# Altium PCB MB1191.PcbDoc (part 6 of 7)
Units mm, origin at the board's own origin, x right, y up, seen from the top; angles counter-clockwise.
Board outline 130 x 80 mm, 8 copper layers (Top, F2, F3, F4, F5, F6, F7, Bottom), stack 1.115 mm thick; 358 components, 347 nets, 1452 pads, 1074 vias.
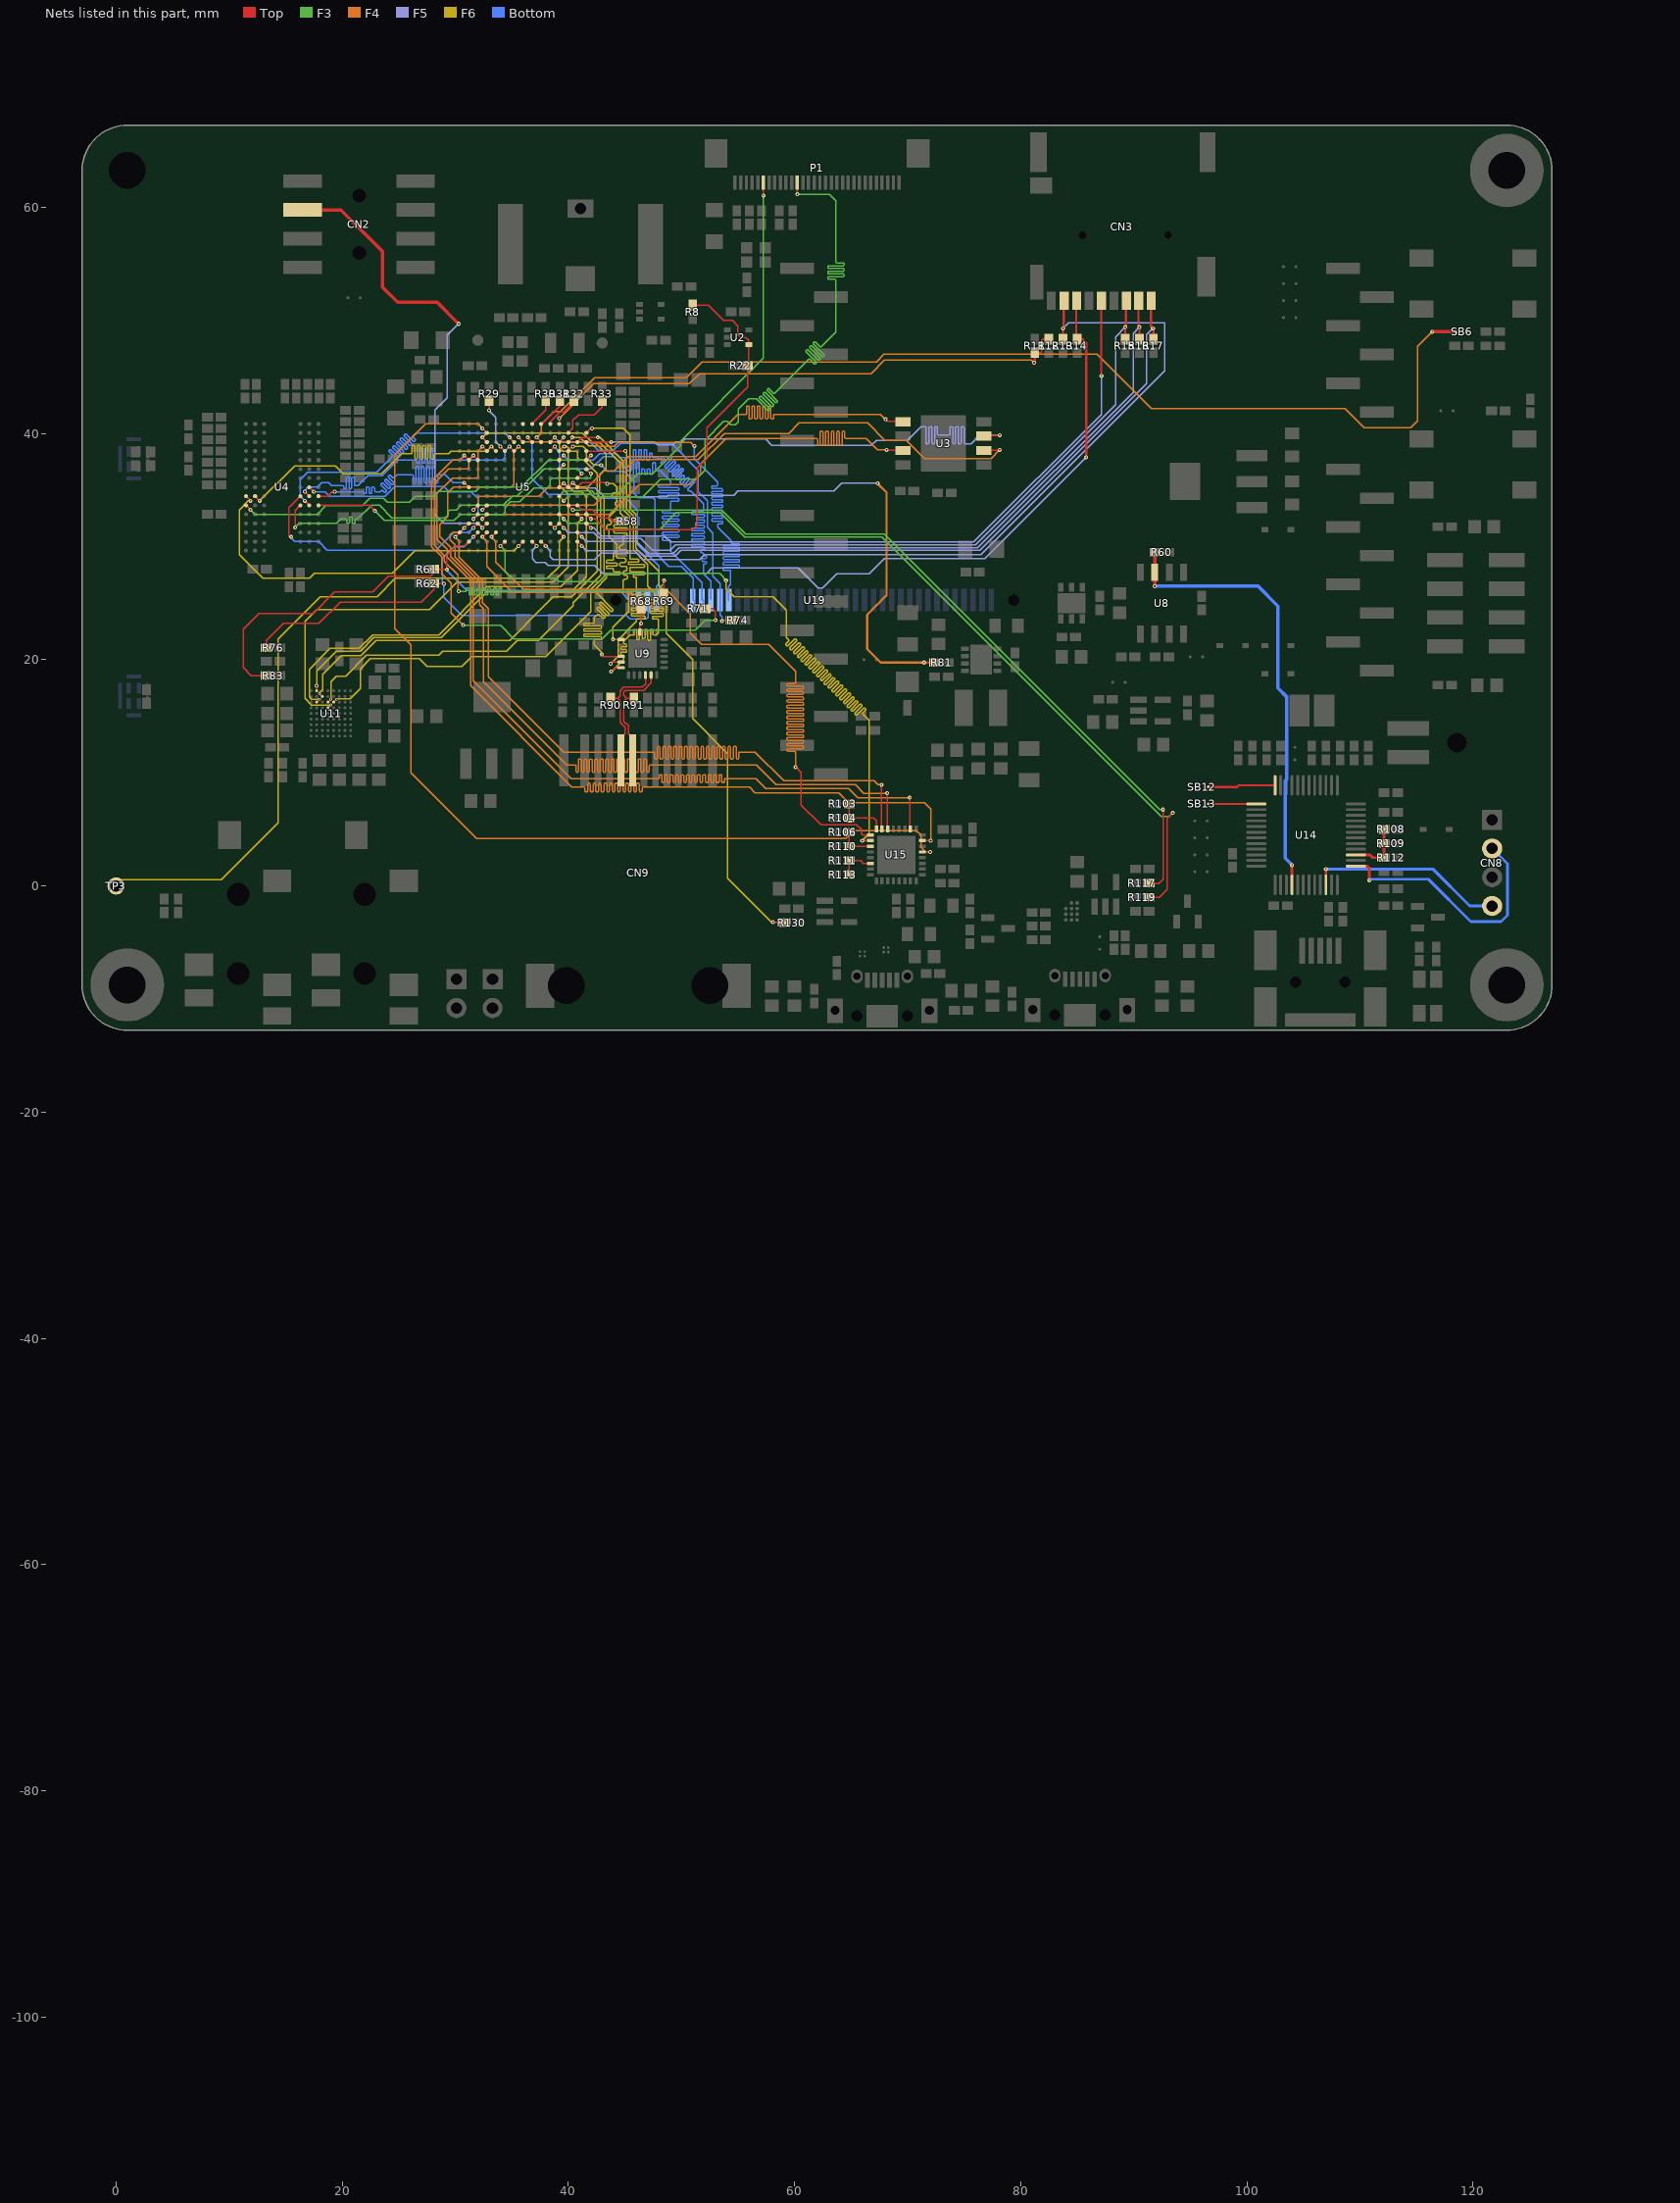
[diagram p12: the nets of this part, all layers, seen from the top]

## Via types
v1: diameter 0.35, hole 0.15, Top to Bottom, tented both sides, 1046 vias
v2: diameter 0.25, hole 0.1, Top to Bottom, tented both sides, 26 vias
v3: diameter 0.3, hole 0.1, Top to Bottom, tented both sides, 2 vias

## Nets (pads, with @x,y where several pads share a name; then routed paths per layer and width w, separated by ;. In a path a pad name is that pad's centre, name@x,y a point inside that pad or via, vN(x,y) a via of type N, cw(c..) or ccw(c..) an arc to the next point about the centre after c; other vN are vias at no path point) (continued)
PB10: U5.P12 U15.6 | length 89.2
  Top w0.12: v1(30.8,31.65) U5.P12@31.2,32.05 ; v1(68.2,8.2) 68.2,5.05 U15.6@68.25,5.05
  F4 w0.12: v1(30.8,31.65) 30.4,31.25 29.75,31.25 29.55,31.05 29.55,30.6 30,30.15 30,29.05 32.15,26.9 32.15,24.85 32.5,24.5 32.5,18.05 39.87,10.68 40.61,10.68 40.67,10.62 40.67,10.11 40.73,10.05 40.85,10.05 40.91,10.11 40.91,11.17 40.97,11.23 41.09,11.23 41.15,11.17 41.15,10.11 41.21,10.05 41.33,10.05 41.39,10.11 41.39,11.17 41.45,11.23 41.57,11.23 41.63,11.17 41.63,10.11 41.69,10.05 41.81,10.05 41.87,10.11 41.87,11.17 41.93,11.23 42.05,11.23 42.11,11.17 42.11,10.11 42.17,10.05 42.29,10.05 42.35,10.11 42.35,11.17 42.41,11.23 42.53,11.23 42.59,11.17 42.59,10.11 42.65,10.05 42.77,10.05 42.83,10.11 42.83,11.17 42.89,11.23 43.01,11.23 43.07,11.17 43.07,10.11 43.13,10.05 43.25,10.05 43.31,10.11 43.31,11.17 43.37,11.23 43.49,11.23 43.55,11.17 43.55,10.11 43.61,10.05 43.73,10.05 43.79,10.11 43.79,11.17 43.85,11.23 43.97,11.23 44.03,11.17 44.03,10.11 44.09,10.05 44.21,10.05 44.27,10.11 44.27,11.17 44.33,11.23 44.45,11.23 44.51,11.17 44.51,10.11 44.57,10.05 44.69,10.05 44.75,10.11 44.75,11.17 44.81,11.23 44.93,11.23 44.99,11.17 44.99,10.11 45.05,10.05 45.17,10.05 45.23,10.11 45.23,11.17 45.29,11.23 45.41,11.23 45.47,11.17 45.47,10.11 45.53,10.05 45.65,10.05 45.71,10.11 45.71,11.17 45.77,11.23 45.89,11.23 45.95,11.17 45.95,10.11 46.01,10.05 46.13,10.05 46.19,10.11 46.19,11.17 46.25,11.23 46.37,11.23 46.43,11.17 46.43,10.11 46.49,10.05 46.61,10.05 46.67,10.11 46.67,11.17 46.73,11.23 46.85,11.23 46.91,11.17 46.91,10.11 46.97,10.05 47.09,10.05 47.15,10.11 47.15,10.62 47.21,10.68 56.64,10.68 58.36,8.96 65.39,8.96 66.15,8.2 v1(68.2,8.2)
PB11: U5.R13 U15.7 | length 89.1
  Top w0.12: v1(30,30.85) U5.R13@30.4,31.25 ; v1(67.7,8.95) 67.7,5.05 U15.7@67.75,5.05
  F4 w0.12: v1(30,30.85) 30.35,30.5 30.35,29.05 32.4,27 32.4,25.05 32.95,24.5 32.95,18.5 39.62,11.83 47.58,11.83 47.64,11.77 47.64,11.28 47.7,11.22 47.82,11.22 47.88,11.28 47.88,12.27 47.94,12.33 48.06,12.33 48.12,12.27 48.12,11.28 48.18,11.22 48.3,11.22 48.36,11.28 48.36,12.27 48.42,12.33 48.54,12.33 48.6,12.27 48.6,11.28 48.66,11.22 48.78,11.22 48.84,11.28 48.84,12.27 48.9,12.33 49.02,12.33 49.08,12.27 49.08,11.28 49.14,11.22 49.26,11.22 49.32,11.28 49.32,12.27 49.38,12.33 49.5,12.33 49.56,12.27 49.56,11.28 49.62,11.22 49.74,11.22 49.8,11.28 49.8,12.27 49.86,12.33 49.98,12.33 50.04,12.27 50.04,11.28 50.1,11.22 50.22,11.22 50.28,11.28 50.28,12.27 50.34,12.33 50.46,12.33 50.52,12.27 50.52,11.28 50.58,11.22 50.7,11.22 50.76,11.28 50.76,12.27 50.82,12.33 50.94,12.33 51,12.27 51,11.28 51.06,11.22 51.18,11.22 51.24,11.28 51.24,12.27 51.3,12.33 51.42,12.33 51.48,12.27 51.48,11.28 51.54,11.22 51.66,11.22 51.72,11.28 51.72,12.27 51.78,12.33 51.9,12.33 51.96,12.27 51.96,11.28 52.02,11.22 52.14,11.22 52.2,11.28 52.2,12.27 52.26,12.33 52.38,12.33 52.44,12.27 52.44,11.28 52.5,11.22 52.62,11.22 52.68,11.28 52.68,12.27 52.74,12.33 52.86,12.33 52.92,12.27 52.92,11.28 52.98,11.22 53.1,11.22 53.16,11.28 53.16,12.27 53.22,12.33 53.34,12.33 53.4,12.27 53.4,11.28 53.46,11.22 53.58,11.22 53.64,11.28 53.64,12.27 53.7,12.33 53.82,12.33 53.88,12.27 53.88,11.28 53.94,11.22 54.06,11.22 54.12,11.28 54.12,12.27 54.18,12.33 54.3,12.33 54.36,12.27 54.36,11.28 54.42,11.22 54.54,11.22 54.6,11.28 54.6,12.27 54.66,12.33 54.78,12.33 54.84,12.27 54.84,11.28 54.9,11.22 55.02,11.22 55.08,11.28 55.08,11.77 55.14,11.83 56.52,11.83 59.06,9.29 67.06,9.29 67.4,8.95 v1(67.7,8.95)
PB12: U5.L13 U15.9 | length 89.2
  Top w0.12: v1(33.2,30.85) U5.L13@33.6,31.25 ; v1(60.1,10.5) 60.1,10.55 60.6,10.05 60.6,7.15 62.35,5.4 65.5,5.4 65.9,5 65.9,4.65 66.05,4.5 U15.9@66.7,4.5
  F4 w0.12: v1(33.2,30.85) 33.6,30.45 33.6,28.65 36.06,26.19 48.66,26.19 50.8,24.05 50.8,22.35 51.8,21.35 57.74,21.35 60.1,18.99 60.1,17.96 60.04,17.9 59.4,17.9 59.34,17.84 59.34,17.72 59.4,17.66 60.76,17.66 60.82,17.6 60.82,17.48 60.76,17.42 59.4,17.42 59.34,17.36 59.34,17.24 59.4,17.18 60.76,17.18 60.82,17.12 60.82,17 60.76,16.94 59.4,16.94 59.34,16.88 59.34,16.76 59.4,16.7 60.76,16.7 60.82,16.64 60.82,16.52 60.76,16.46 59.4,16.46 59.34,16.4 59.34,16.28 59.4,16.22 60.76,16.22 60.82,16.16 60.82,16.04 60.76,15.98 59.4,15.98 59.34,15.92 59.34,15.8 59.4,15.74 60.76,15.74 60.82,15.68 60.82,15.56 60.76,15.5 59.4,15.5 59.34,15.44 59.34,15.32 59.4,15.26 60.76,15.26 60.82,15.2 60.82,15.08 60.76,15.02 59.4,15.02 59.34,14.96 59.34,14.84 59.4,14.78 60.76,14.78 60.82,14.72 60.82,14.6 60.76,14.54 59.4,14.54 59.34,14.48 59.34,14.36 59.4,14.3 60.76,14.3 60.82,14.24 60.82,14.12 60.76,14.06 59.4,14.06 59.34,14 59.34,13.88 59.4,13.82 60.76,13.82 60.82,13.76 60.82,13.64 60.76,13.58 59.4,13.58 59.34,13.52 59.34,13.4 59.4,13.34 60.76,13.34 60.82,13.28 60.82,13.16 60.76,13.1 59.4,13.1 59.34,13.04 59.34,12.92 59.4,12.86 60.76,12.86 60.82,12.8 60.82,12.68 60.76,12.62 59.4,12.62 59.34,12.56 59.34,12.44 59.4,12.38 60.76,12.38 60.82,12.32 60.82,12.2 60.76,12.14 59.4,12.14 59.34,12.08 59.34,11.96 59.4,11.9 60.04,11.9 60.1,11.84 v1(60.1,10.5)
PB13: U5.K14 U15.10 | length 89.4
  Top w0.12: v1(34,30.05) U5.K14@34.4,30.45 ; v1(66,4) U15.10@66.7,4
  F3 w0.12: v1(34,30.05) 34.4,29.65 34.4,27.8 34.99,27.21 38.87,27.21 39.17,26.91 42.73,26.91 43.45,27.63 53.37,27.63 54,27 v1(53.95,27)
  F6 w0.12: v1(53.95,27) 53.95,26.26 54.67,25.54 58.11,25.54 59.27,24.38 59.27,21.98 59.512,21.738 59.512,21.653 59.241,21.382 59.241,21.297 59.326,21.212 59.411,21.212 60.021,21.823 60.106,21.823 60.191,21.738 60.191,21.653 59.581,21.043 59.581,20.958 59.665,20.873 59.75,20.873 60.36,21.483 60.445,21.483 60.53,21.398 60.53,21.314 59.92,20.703 59.92,20.618 60.005,20.534 60.09,20.534 60.7,21.144 60.785,21.144 60.87,21.059 60.87,20.974 60.259,20.364 60.259,20.279 60.344,20.194 60.429,20.194 61.039,20.804 61.124,20.804 61.209,20.72 61.209,20.635 60.599,20.024 60.599,19.94 60.684,19.855 60.769,19.855 61.379,20.465 61.464,20.465 61.548,20.38 61.548,20.295 60.938,19.685 60.938,19.6 61.023,19.515 61.108,19.515 61.718,20.126 61.803,20.126 61.888,20.041 61.888,19.956 61.278,19.346 61.278,19.261 61.363,19.176 61.447,19.176 62.058,19.786 62.142,19.786 62.227,19.701 62.227,19.616 61.617,19.006 61.617,18.921 61.702,18.837 61.787,18.837 62.397,19.447 62.482,19.447 62.567,19.362 62.567,19.277 61.956,18.667 61.956,18.582 62.041,18.497 62.126,18.497 62.736,19.107 62.821,19.107 62.906,19.022 62.906,18.938 62.296,18.327 62.296,18.243 62.381,18.158 62.466,18.158 63.076,18.768 63.161,18.768 63.246,18.683 63.246,18.598 62.635,17.988 62.635,17.903 62.72,17.818 62.805,17.818 63.415,18.428 63.5,18.428 63.585,18.344 63.585,18.259 62.975,17.649 62.975,17.564 63.06,17.479 63.144,17.479 63.755,18.089 63.839,18.089 63.924,18.004 63.924,17.919 63.314,17.309 63.314,17.224 63.399,17.139 63.484,17.139 64.094,17.75 64.179,17.75 64.264,17.665 64.264,17.58 63.654,16.97 63.654,16.885 63.738,16.8 63.823,16.8 64.434,17.41 64.518,17.41 64.603,17.325 64.603,17.24 63.993,16.63 63.993,16.545 64.078,16.461 64.163,16.461 64.773,17.071 64.858,17.071 64.943,16.986 64.943,16.901 64.332,16.291 64.332,16.206 64.417,16.121 64.502,16.121 65.112,16.731 65.197,16.731 65.282,16.646 65.282,16.562 64.672,15.951 64.672,15.867 64.757,15.782 64.842,15.782 65.452,16.392 65.537,16.392 65.621,16.307 65.621,16.222 65.011,15.612 65.011,15.527 65.096,15.442 65.181,15.442 65.791,16.053 65.876,16.053 65.961,15.968 65.961,15.883 65.351,15.273 65.351,15.188 65.436,15.103 65.52,15.103 66.131,15.713 66.215,15.713 66.3,15.628 66.3,15.543 66.046,15.289 66.046,15.204 66.62,14.63 66.62,4.64 66,4.02 v1(66,4)
PC0: U5.M2 U15.29 | length 89
  Top w0.12: v1(32.4,40.45) U5.M2@32.8,40.05 ; U15.29@71.3,3 v1(72,3)
  F4 w0.12: v1(32.4,40.45) 32,40.85 27.4,40.85 24.67,38.12 24.67,22.73 26.1,21.3 26.1,9.99 31.9,4.19 64.54,4.19 65.25,4.9 70.77,4.9 71.18,4.49 71.18,3.42 71.6,3 v1(72,3)
PC1: U5.M3 U9.13 | length 42.6
  Top w0.12: v1(32.4,39.65) U5.M3@32.8,39.25 ; v1(43.95,21.8) 43.95,21.789 U9.13@44.672,21.789
  F6 w0.12: v1(32.4,39.65) 32.8,40.05 41.25,40.05 42.15,39.15 42.8,39.15 44.57,37.38 44.57,32.99 44.91,32.65 45.142,32.65 45.21,32.582 45.21,32.47 45.15,32.41 44.09,32.41 44.03,32.35 44.03,32.23 44.09,32.17 45.15,32.17 45.21,32.11 45.21,31.99 45.15,31.93 44.09,31.93 44.03,31.87 44.03,31.75 44.09,31.69 45.15,31.69 45.21,31.63 45.21,31.51 45.15,31.45 44.09,31.45 44.03,31.39 44.03,31.27 44.09,31.21 45.15,31.21 45.21,31.15 45.21,31.03 45.15,30.97 44.91,30.97 44.85,30.91 44.85,30.525 44.85,30.477 44.85,30.215 44.738,30.103 44.632,30.103 44.52,29.991 44.52,29.841 44.632,29.729 44.85,29.729 45.098,29.729 45.21,29.617 45.21,29.467 45.098,29.355 44.85,29.355 44.364,29.355 44.252,29.243 44.252,29.093 44.364,28.981 44.85,28.981 44.996,28.981 45.108,28.869 45.108,28.719 44.996,28.607 44.85,28.607 44.662,28.607 44.55,28.495 44.55,28.345 44.662,28.233 44.85,28.233 45.098,28.233 45.21,28.121 45.21,27.971 45.098,27.859 44.962,27.859 44.85,27.747 44.85,27.597 44.962,27.485 45.112,27.485 45.224,27.373 45.224,27.223 45.112,27.111 44.962,27.111 44.85,26.999 44.85,26.737 44.85,26.55 44.85,25.99 44.91,25.93 45.27,25.93 45.33,25.87 45.33,24.25 44.85,23.77 43.95,22.87 v1(43.95,21.8)
PC2: U5.M4 U15.31 | length 89.1
  Top w0.12: v1(32.4,38.85) U5.M4@32.8,38.45 ; U15.31@71.3,4 v1(72.05,4)
  F4 w0.12: v1(32.4,38.85) 32,38.45 32,36.15 31.9,36.05 29.75,36.05 28.4,34.7 28.4,30.65 29.3,29.75 29.3,29.05 31.35,27 31.35,17.7 40.32,8.73 41.42,8.73 41.48,8.67 41.48,8.38 41.54,8.32 41.66,8.32 41.72,8.38 41.72,9.02 41.78,9.08 41.9,9.08 41.96,9.02 41.96,8.38 42.02,8.32 42.14,8.32 42.2,8.38 42.2,9.02 42.26,9.08 42.38,9.08 42.44,9.02 42.44,8.38 42.5,8.32 42.62,8.32 42.68,8.38 42.68,9.02 42.74,9.08 42.86,9.08 42.92,9.02 42.92,8.38 42.98,8.32 43.1,8.32 43.16,8.38 43.16,9.02 43.22,9.08 43.34,9.08 43.4,9.02 43.4,8.38 43.46,8.32 43.58,8.32 43.64,8.38 43.64,9.02 43.7,9.08 43.82,9.08 43.88,9.02 43.88,8.38 43.94,8.32 44.06,8.32 44.12,8.38 44.12,9.02 44.18,9.08 44.3,9.08 44.36,9.02 44.36,8.38 44.42,8.32 44.54,8.32 44.6,8.38 44.6,9.02 44.66,9.08 44.78,9.08 44.84,9.02 44.84,8.38 44.9,8.32 45.02,8.32 45.08,8.38 45.08,9.02 45.14,9.08 45.26,9.08 45.32,9.02 45.32,8.38 45.38,8.32 45.5,8.32 45.56,8.38 45.56,9.02 45.62,9.08 45.74,9.08 45.8,9.02 45.8,8.38 45.86,8.32 45.98,8.32 46.04,8.38 46.04,9.02 46.1,9.08 46.22,9.08 46.28,9.02 46.28,8.38 46.34,8.32 46.46,8.32 46.52,8.38 46.52,8.67 46.58,8.73 56.03,8.73 56.52,8.24 63.91,8.24 64.8,7.35 71.5,7.35 72.05,6.8 v1(72.05,4)
PC3: U4.J2 U5.L4 | length 33.1
  Top w0.12: U4.J2@12.3,34.45 v1(12.7,34.05) ; v1(33.2,38.85) U5.L4@33.6,38.45
  F6 w0.12: v1(12.7,34.05) 15.8,37.15 19.4,37.15 20.1,36.45 23.5,36.45 25.25,38.2 26.12,38.2 26.18,38.26 26.18,38.88 26.24,38.94 26.36,38.94 26.42,38.88 26.42,37.81 26.48,37.75 26.6,37.75 26.66,37.81 26.66,38.88 26.72,38.94 26.84,38.94 26.9,38.88 26.9,37.81 26.96,37.75 27.08,37.75 27.14,37.81 27.14,38.88 27.2,38.94 27.32,38.94 27.38,38.88 27.38,37.81 27.44,37.75 27.56,37.75 27.62,37.81 27.62,38.88 27.68,38.94 27.8,38.94 27.86,38.88 27.86,37.81 27.92,37.75 28.04,37.75 28.1,37.81 28.1,38.14 28.16,38.2 29.4,38.2 29.65,38.45 32.8,38.45 v1(33.2,38.85)
PC4: R69.2 U5.N5 | length 43.1
  Top w0.12: v1(31.6,38.05) U5.N5@32,37.65 ; R69.2@48.436,25.786 48.45,25.786 v1(48.45,27)
  F3 w0.12: v1(30.3,26.05) 30.92,26.05 30.98,26.11 30.98,26.3 31.04,26.36 31.16,26.36 31.22,26.3 31.22,25.78 31.28,25.72 31.4,25.72 31.46,25.78 31.46,26.3 31.52,26.36 31.64,26.36 31.7,26.3 31.7,25.78 31.76,25.72 31.88,25.72 31.94,25.78 31.94,26.3 32,26.36 32.12,26.36 32.18,26.3 32.18,25.78 32.24,25.72 32.36,25.72 32.42,25.78 32.42,26.3 32.48,26.36 32.6,26.36 32.66,26.3 32.66,25.78 32.72,25.72 32.84,25.72 32.9,25.78 32.9,26.3 32.96,26.36 33.08,26.36 33.14,26.3 33.14,25.78 33.2,25.72 33.32,25.72 33.38,25.78 33.38,26.3 33.44,26.36 33.56,26.36 33.62,26.3 33.62,25.78 33.68,25.72 33.8,25.72 33.86,25.78 33.86,26.3 33.92,26.36 34.04,26.36 34.1,26.3 34.1,26.11 34.16,26.05 47.75,26.05 48.45,26.75 v1(48.45,27)
  F4 w0.12: v1(30.3,26.05) 30.25,26.1 30.25,27.5 29.05,28.7 29.05,29.2 28.15,30.1 28.15,35.6 29.4,36.85 31.1,36.85 31.2,36.95 31.2,37.65 v1(31.6,38.05)
PC5: R71.2 U5.P5 | length 43.5
  Top w0.12: v1(30.8,38.05) U5.P5@31.2,37.65 ; R71.2@52.1,24.5 52.761,24.5 53,24.261 v1(53,23.5)
  F3 w0.12: v1(30.7,23.05) 34,23.05 35.2,21.85 43,21.85 43.75,22.6 51.2,22.6 52.1,23.5 v1(53,23.5)
  F4 w0.12: v1(30.7,23.05) 29.62,24.13 29.62,26.78 28.8,27.6 28.8,29.1 27.9,30 27.9,35.8 29.75,37.65 30.4,37.65 v1(30.8,38.05)
PC8: CN3.7 R14.1 U5.G14 | length 71.6
  Top w0.12: U5.G14@36.8,30.45 v1(37.2,30.05)
  Top w0.2: CN3.7@84.925,51.725 84.925,48.35 R14.1@85,48.35 85.45,48.35 85.8,48 v1(85.8,37.9)
  F5 w0.12: v1(37.2,30.05) 36.82,29.67 36.82,28.93 37.15,28.6 37.95,28.6 38.2,28.35 42.35,28.35 43.05,27.65 52.24,27.65 52.7,28.11 60.34,28.11 62.1,26.35 62.5,26.35 63.75,27.6 66.6,27.6 67.95,28.95 76.85,28.95 v1(85.8,37.9)
PC9: CN3.8 R13.1 U5.F14 | length 80.3
  Top w0.12: U5.F14@37.6,30.45 v1(38,30.05)
  Top w0.2: R13.1@83.75,48.35 v1@83.75,49.2 ; v1(83.75,49.3) v1@83.75,49.2 ; CN3.8@83.825,51.55 83.825,49.275 83.8,49.25 v1@83.75,49.2
  F5 w0.12: v1(38,30.05) 38.4,29.65 38.4,29.1 38.65,28.85 42.32,28.85 42.88,29.41 46.06,29.41 46.6,28.87 51.61,28.87 52.04,29.3 76.5,29.3 92.75,45.55 92.75,49.8 84.25,49.8 v1(83.75,49.3)
PC10: CN3.1 R17.1 U5.B14 | length 65.5
  Top w0.12: U5.B14@40.8,30.45 v1(41.2,30.05)
  Top w0.2: CN3.1@91.525,51.425 91.525,49.475 v1(91.7,49.3) 91.75,49.25 R17.1@91.75,48.35
  F5 w0.12: v1(41.2,30.05) 41.6,29.65 46.21,29.65 46.71,29.15 49.44,29.15 49.95,29.66 76.41,29.66 91.15,44.4 91.15,48.75 v1(91.7,49.3)
PC11: CN3.2 R16.1 U5.B13 | length 65.2
  Top w0.12: U5.B13@40.8,31.25 v1(41.2,30.85)
  Top w0.2: CN3.2@90.425,51.725 90.425,49.475 v1(90.5,49.4) R16.1@90.5,48.35
  F5 w0.12: v1(41.2,30.85) 41.6,30.45 46.03,30.45 47.09,29.39 49.26,29.39 49.77,29.9 76.2,29.9 89.95,43.65 89.95,48.85 v1(90.5,49.4)
PC12: CN3.5 U5.A12 | length 60.7
  Top w0.12: U5.A12@41.6,32.05 v1(42,31.65)
  Top w0.2: CN3.5@87.125,51.45 87.125,45.1 v1(87.15,45.1)
  F5 w0.12: v1(42,31.65) 42.25,31.65 42.95,30.95 48.5,30.95 49.05,30.4 75.85,30.4 87.15,41.7 v1(87.15,45.1)
PC13: R11.1 R12.1 U5.D1 | length 48
  Top w0.12: U5.D1@39.2,40.85 v1(39.2,41.35) ; R11.1@81.25,47.15 81.76,47.15 81.85,47.24 81.85,48.21 81.99,48.35 R12.1@82.5,48.35
  Top w0.2: v1(81.2,46.25) 81.25,46.25 R11.1@81.25,47.15
  F4 w0.12: v1(39.2,41.35) 42.25,44.4 50.7,44.4 51.59,45.29 66.76,45.29 67.97,46.5 80.95,46.5 v1(81.2,46.25)
PC14: R32.2 U5.E1 | length 3.1
  Top w0.12: U5.E1@38.4,40.85 38.4,41.052 39.248,41.9 39.6,41.9 40.5,42.8 R32.2@40.5,42.9
PC15: R31.2 U5.F1 | length 2.8
  Top w0.12: U5.F1@37.6,40.85 37.7,40.85 39.25,42.4 R31.2@39.25,42.9
PD2: CN3.3 R15.1 U5.D12 | length 66.1
  Top w0.12: U5.D12@39.2,32.05 v1(39.6,31.65) ; v1(89.25,49.4) v1@89.25,49.45
  Top w0.2: R15.1@89.25,48.35 v1(89.25,49.4) ; v1@89.25,49.45 89.325,49.525 CN3.3@89.325,51.725
  F5 w0.12: v1(39.6,31.65) 40,31.25 42.25,31.25 42.8,30.7 46.41,30.7 47.45,29.66 48.99,29.66 49.48,30.15 76,30.15 88.4,42.55 88.4,48.55 v1(89.25,49.4)
PD4: R119.2 U5.D11 | length 75.5
  Top w0.12: U5.D11@39.2,32.85 v1(39.6,32.45) ; R119.2@91.35,-1 92.25,-1 92.95,-0.3 92.95,5.95 v1(93.45,6.45)
  F3 w0.12: v1(39.6,32.45) 40,32.05 42.75,32.05 43.25,31.55 48.1,31.55 49.55,33 53.451,33 55.591,30.86 67.74,30.86 92.45,6.15 93.15,6.15 v1(93.45,6.45)
PD5: R117.1 U5.C10 | length 71.4
  Top w0.12: U5.C10@40,33.65 v1(40.4,33.25) ; R117.1@91.35,0.25 91.35,0.2 92.2,0.2 92.6,0.6 v1(92.6,6.75)
  F3 w0.12: v1(40.4,33.25) 53.54,33.25 55.69,31.1 67.95,31.1 92.3,6.75 v1(92.6,6.75)
PD6: U5.B11 U11.G3 | length 36.4
  Top w0.12: U11.G3@17.75,16.25 v2(18,16.5) ; U5.B11@40.8,32.85 v1(41.2,32.45)
  F6 w0.12: v2(18,16.5) 17.3,16.5 17.1,16.7 17.1,19.15 18.95,21 21.5,21 22.7,22.2 28.55,22.2 32.8,26.45 39.35,26.45 40.8,27.9 40.8,32.05 v1(41.2,32.45)
PD7: R8.2 R22.2 U2.4 U5.A11 | length 35.7
  Top w0.12: U5.A11@41.6,32.85 v1(42,32.45) 42.4,32.45 43.35,31.5 51,31.5 51.4,31.9 51.4,36.95 52.25,37.8 52.25,40.5 55.85,44.1 R22.2@55.85,45.75 ; R8.2@51,51.35 52.4,51.35 53.75,50 54.5,50 55,49.5 55,48.75 55.25,48.5 55.7,48.5 55.95,48.25 U2.4@55.95,47.85 55.95,45.85 R22.2@55.85,45.75 ; R22.2@55.85,46 R22.2@55.85,45.75
PD11: U3.5 U5.N10 | length 53.1
  Top w0.12: v1(31.6,33.25) U5.N10@32,33.65 ; v1(68.05,41.25) 68.221,41.079 U3.5@69.272,41.079
  F4 w0.12: v1(31.6,33.25) 32,33.65 32,34.35 32.1,34.45 37.4,34.45 38.15,35.2 41.65,35.2 43.15,36.7 44.05,36.7 45.3,37.95 51.25,37.95 55,41.7 55.69,41.7 55.75,41.76 55.75,42.36 55.81,42.42 55.93,42.42 55.99,42.36 55.99,41.33 56.05,41.27 56.17,41.27 56.23,41.33 56.23,42.36 56.29,42.42 56.41,42.42 56.47,42.36 56.47,41.33 56.53,41.27 56.65,41.27 56.71,41.33 56.71,42.36 56.77,42.42 56.89,42.42 56.95,42.36 56.95,41.33 57.01,41.27 57.13,41.27 57.19,41.33 57.19,42.36 57.25,42.42 57.37,42.42 57.43,42.36 57.43,41.33 57.49,41.27 57.61,41.27 57.67,41.33 57.67,42.36 57.73,42.42 57.85,42.42 57.91,42.36 57.91,41.33 57.97,41.27 58.09,41.27 58.15,41.33 58.15,41.64 58.21,41.7 67.6,41.7 v1(68.05,41.25)
PD12: U3.2 U5.M10 | length 53.1
  Top w0.12: v1(32.4,33.25) U5.M10@32.8,33.65 ; U3.2@77.122,38.539 78.15,38.539 v1(78.15,38.55)
  F4 w0.12: v1(32.4,33.25) 32.8,33.65 42.3,33.65 43.1,34.45 44.25,34.45 45.1,35.3 45.1,36.9 45.9,37.7 51.5,37.7 53.81,40.01 59.49,40.01 60.41,40.93 66.47,40.93 68,39.4 69.9,39.4 71.5,37.8 77.4,37.8 v1(78.15,38.55)
PD13: U3.7 U5.M11 | length 53
  Top w0.12: v1(32.4,32.45) U5.M11@32.8,32.85 ; v1(68.15,38.55) 68.15,38.539 U3.7@69.272,38.539
  F4 w0.12: v1(32.4,32.45) 32.8,32.85 43.65,32.85 46.3,35.5 50.75,35.5 51.7,36.45 51.7,37.3 53.96,39.56 61.99,39.56 62.05,39.5 62.05,39 62.11,38.94 62.23,38.94 62.29,39 62.29,40.13 62.35,40.19 62.47,40.19 62.53,40.13 62.53,39 62.59,38.94 62.71,38.94 62.77,39 62.77,40.13 62.83,40.19 62.95,40.19 63.01,40.13 63.01,39 63.07,38.94 63.19,38.94 63.25,39 63.25,40.13 63.31,40.19 63.43,40.19 63.49,40.13 63.49,39 63.55,38.94 63.67,38.94 63.73,39 63.73,40.13 63.79,40.19 63.91,40.19 63.97,40.13 63.97,39 64.03,38.94 64.15,38.94 64.21,39 64.21,40.13 64.27,40.19 64.39,40.19 64.45,40.13 64.45,39.62 64.51,39.56 66.35,39.56 67.36,38.55 v1(68.15,38.55)
PE0: U4.K9 U5.A6 | length 27.7
  Top w0.12: U4.K9@17.9,33.65 22.4,33.65 v1(22.9,33.15) ; U5.A6@41.6,36.85 v1(42,36.45)
  F3 w0.12: v1(22.9,33.15) 23.75,32.3 29.9,32.3 30.45,32.85 34.25,32.85 34.4,33 34.4,33.45 34.9,33.95 35.7,33.95 36.95,35.2 38.15,35.2 38.4,35.45 38.4,35.9 38.55,36.05 41.95,36.05 42,36.1 v1(42,36.45)
PE1: U4.K1 U5.A5 | length 33.8
  Top w0.12: U4.K1@11.5,33.65 v1(11.9,33.25) ; U5.A5@41.6,37.65 v1(42,38.05)